# Altium PCB Tag201_GangProgrammerRev2.PcbDoc (part 4 of 7) (continued)
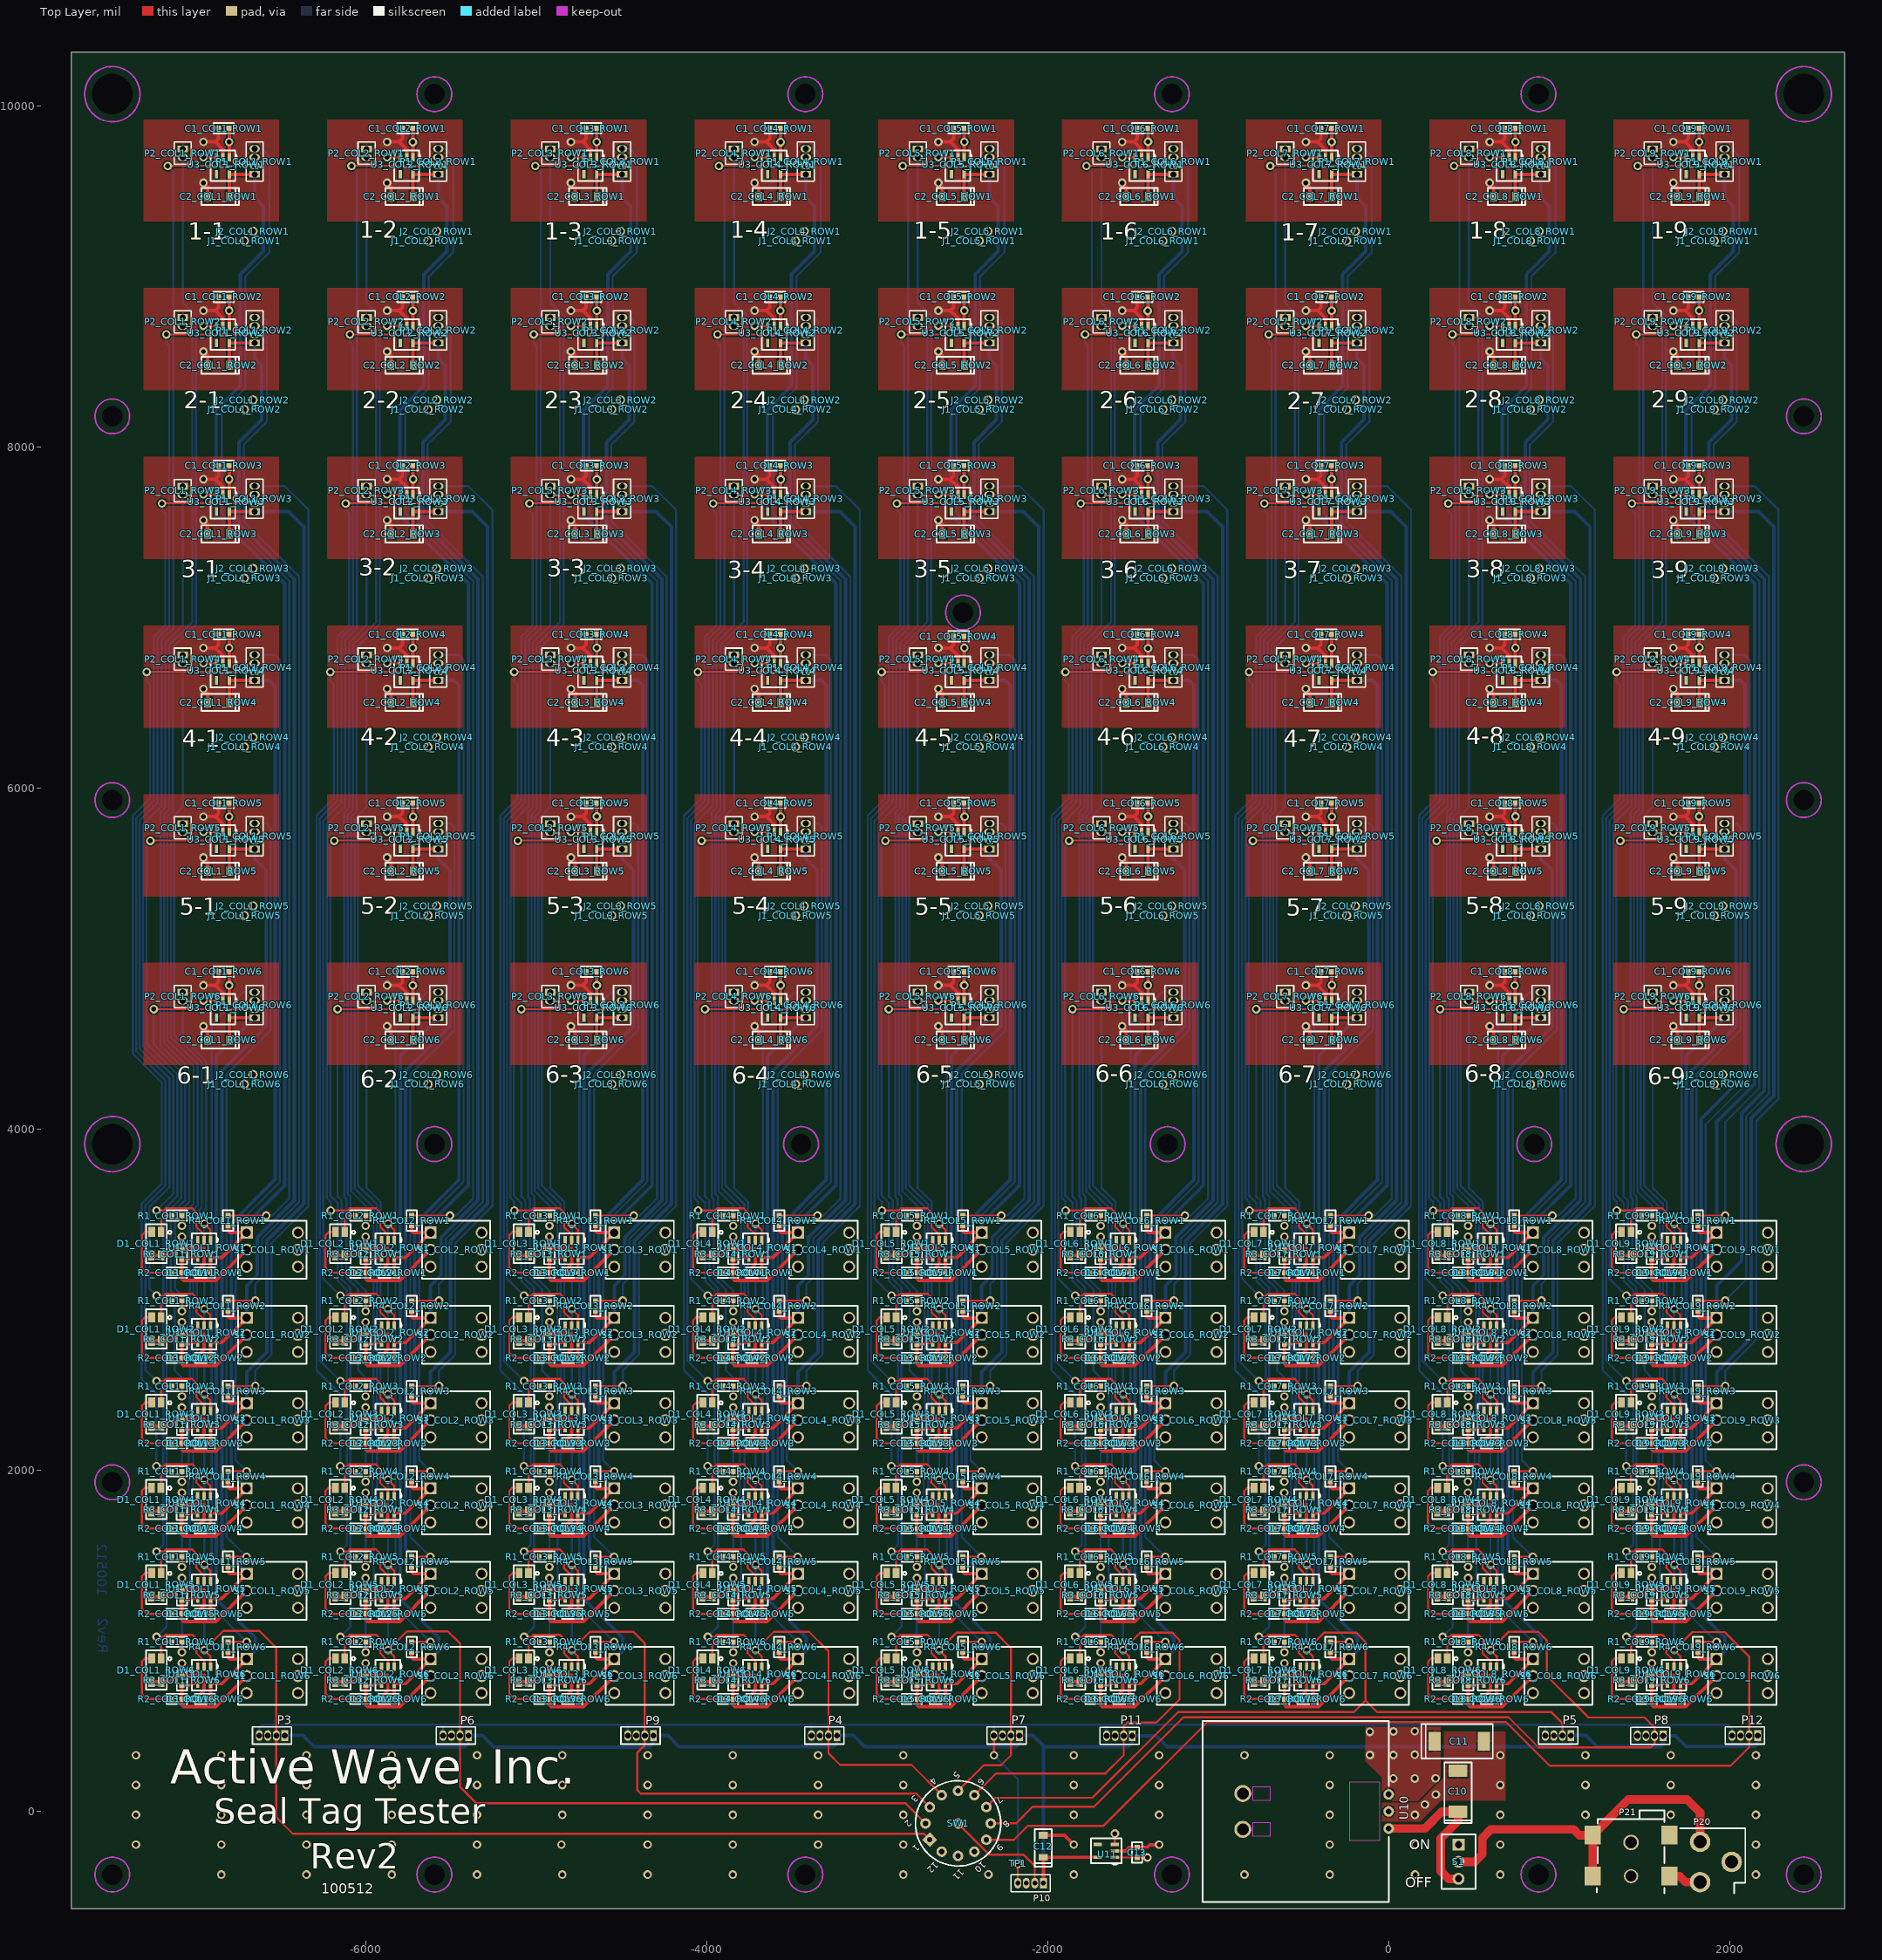
[diagram p0: Top Layer view]
## Nets (pads, with @x,y where several pads share a name; then routed paths per layer and width w, separated by ;. In a path a pad name is that pad's centre, name@x,y a point inside that pad or via, vN(x,y) a via of type N, cw(c..) or ccw(c..) an arc to the next point about the centre after c; other vN are vias at no path point) (continued)
C2_COL7_ROW1.2@-461.5,9469 ; v1(-485.5,9789) -415.5,9789 ; C1_COL7_ROW6.2@-396.5,4924 -396.5,4863 -415.5,4844 ; C1_COL7_ROW5.2@-396.5,5913 -396.5,5852 -415.5,5833 ; C1_COL7_ROW4.2@-396.5,6902 -396.5,6841 -415.5,6822 ; C1_COL7_ROW3.2@-396.5,7891 -396.5,7830 -415.5,7811 ; C1_COL7_ROW2.2@-396.5,8880 -396.5,8819 -415.5,8800 ; C1_COL7_ROW1.2@-396.5,9869 -396.5,9808 -415.5,9789 ; U3_COL7_ROW6.2@-371,4754 -371,4799.5 -415.5,4844 ; U3_COL7_ROW5.2@-371,5743 -371,5788.5 -415.5,5833 ; U3_COL7_ROW4.2@-371,6732 -371,6777.5 -415.5,6822 ; U3_COL7_ROW3.2@-371,7721 -371,7766.5 -415.5,7811 ; U3_COL7_ROW2.2@-371,8710 -371,8755.5 -415.5,8800 ; U3_COL7_ROW1.2@-371,9699 -371,9744.5 -415.5,9789 ; D1_COL8_ROW4.4@287.94,1760.1 D1_COL8_ROW4.3@343.06,1760.1 396.6,1760.1 435.5,1799 R3_COL8_ROW4.1@465.5,1799 ; D1_COL8_ROW6.4@288.44,760.1 D1_COL8_ROW6.3@343.56,760.1 397.1,760.1 436,799 R3_COL8_ROW6.1@466,799 ; D1_COL8_ROW5.4@288.44,1260.1 D1_COL8_ROW5.3@343.56,1260.1 397.1,1260.1 436,1299 R3_COL8_ROW5.1@466,1299 ; D1_COL8_ROW3.4@288.44,2260.1 D1_COL8_ROW3.3@343.56,2260.1 397.1,2260.1 436,2299 R3_COL8_ROW3.1@466,2299 ; D1_COL8_ROW2.4@288.44,2760.1 D1_COL8_ROW2.3@343.56,2760.1 397.1,2760.1 436,2799 R3_COL8_ROW2.1@466,2799 ; D1_COL8_ROW1.4@288.44,3260.1 D1_COL8_ROW1.3@343.56,3260.1 397.1,3260.1 436,3299 R3_COL8_ROW1.1@466,3299 ; v1(465.5,1869) R3_COL8_ROW4.1@465.5,1799 ; v1(466,869) R3_COL8_ROW6.1@466,799 ; v1(466,1369) R3_COL8_ROW5.1@466,1299 ; v1(466,2369) R3_COL8_ROW3.1@466,2299 ; v1(466,2869) R3_COL8_ROW2.1@466,2799 ; v1(466,3369) R3_COL8_ROW1.1@466,3299 ; 558,1801.5 U1_COL8_ROW4.3@558,1849 ; 558.5,801.5 U1_COL8_ROW6.3@558.5,849 ; 558.5,1301.5 U1_COL8_ROW5.3@558.5,1349 ; 558.5,2301.5 U1_COL8_ROW3.3@558.5,2349 ; 558.5,2801.5 U1_COL8_ROW2.3@558.5,2849 ; 558.5,3301.5 U1_COL8_ROW1.3@558.5,3349 ; C3_COL8_ROW4.2@570.5,1659 570.5,1684 595.5,1709 595.5,1799 R3_COL8_ROW4.1@465.5,1799 ; C3_COL8_ROW6.2@571,659 571,684 596,709 596,799 R3_COL8_ROW6.1@466,799 ; C3_COL8_ROW5.2@571,1159 571,1184 596,1209 596,1299 R3_COL8_ROW5.1@466,1299 ; C3_COL8_ROW3.2@571,2159 571,2184 596,2209 596,2299 R3_COL8_ROW3.1@466,2299 ; C3_COL8_ROW2.2@571,2659 571,2684 596,2709 596,2799 R3_COL8_ROW2.1@466,2799 ; C3_COL8_ROW1.2@571,3159 571,3184 596,3209 596,3299 R3_COL8_ROW1.1@466,3299 ; v1(592,4604) 616,4580 C2_COL8_ROW6.2@616,4524 ; v1(592,4844) 662,4844 ; v1(592,5593) 616,5569 C2_COL8_ROW5.2@616,5513 ; v1(592,5833) 662,5833 ; v1(592,6582) 616,6558 C2_COL8_ROW4.2@616,6502 ; v1(592,6822) 662,6822 ; v1(592,7571) 616,7547 C2_COL8_ROW3.2@616,7491 ; v1(592,7811) 662,7811 ; v1(592,8560) 616,8536 C2_COL8_ROW2.2@616,8480 ; v1(592,8800) 662,8800 ; v1(592,9549) 616,9525 C2_COL8_ROW1.2@616,9469 ; v1(592,9789) 662,9789 ; C1_COL8_ROW6.2@681,4924 681,4863 662,4844 ; C1_COL8_ROW5.2@681,5913 681,5852 662,5833 ; C1_COL8_ROW4.2@681,6902 681,6841 662,6822 ; C1_COL8_ROW3.2@681,7891 681,7830 662,7811 ; C1_COL8_ROW2.2@681,8880 681,8819 662,8800 ; C1_COL8_ROW1.2@681,9869 681,9808 662,9789 ; U3_COL8_ROW6.2@706.5,4754 706.5,4799.5 662,4844 ; U3_COL8_ROW5.2@706.5,5743 706.5,5788.5 662,5833 ; U3_COL8_ROW4.2@706.5,6732 706.5,6777.5 662,6822 ; U3_COL8_ROW3.2@706.5,7721 706.5,7766.5 662,7811 ; U3_COL8_ROW2.2@706.5,8710 706.5,8755.5 662,8800 ; U3_COL8_ROW1.2@706.5,9699 706.5,9744.5 662,9789 ; D1_COL9_ROW4.4@1365.44,1760.1 D1_COL9_ROW4.3@1420.56,1760.1 1474.1,1760.1 1513,1799 R3_COL9_ROW4.1@1543,1799 ; D1_COL9_ROW6.4@1365.94,760.1 D1_COL9_ROW6.3@1421.06,760.1 1474.6,760.1 1513.5,799 R3_COL9_ROW6.1@1543.5,799 ; D1_COL9_ROW5.4@1365.94,1260.1 D1_COL9_ROW5.3@1421.06,1260.1 1474.6,1260.1 1513.5,1299 R3_COL9_ROW5.1@1543.5,1299 ; D1_COL9_ROW3.4@1365.94,2260.1 D1_COL9_ROW3.3@1421.06,2260.1 1474.6,2260.1 1513.5,2299 R3_COL9_ROW3.1@1543.5,2299 ; D1_COL9_ROW2.4@1365.94,2760.1 D1_COL9_ROW2.3@1421.06,2760.1 1474.6,2760.1 1513.5,2799 R3_COL9_ROW2.1@1543.5,2799 ; D1_COL9_ROW1.4@1365.94,3260.1 D1_COL9_ROW1.3@1421.06,3260.1 1474.6,3260.1 1513.5,3299 R3_COL9_ROW1.1@1543.5,3299 ; v1(1543,1869) R3_COL9_ROW4.1@1543,1799 ; v1(1543.5,869) R3_COL9_ROW6.1@1543.5,799 ; v1(1543.5,1369) R3_COL9_ROW5.1@1543.5,1299 ; v1(1543.5,2369) R3_COL9_ROW3.1@1543.5,2299 ; v1(1543.5,2869) R3_COL9_ROW2.1@1543.5,2799 ; v1(1543.5,3369) R3_COL9_ROW1.1@1543.5,3299 ; 1635.5,1801.5 U1_COL9_ROW4.3@1635.5,1849 ; 1636,801.5 U1_COL9_ROW6.3@1636,849 ; 1636,1301.5 U1_COL9_ROW5.3@1636,1349 ; 1636,2301.5 U1_COL9_ROW3.3@1636,2349 ; 1636,2801.5 U1_COL9_ROW2.3@1636,2849 ; 1636,3301.5 U1_COL9_ROW1.3@1636,3349 ; C3_COL9_ROW4.2@1648,1659 1648,1684 1673,1709 1673,1799 R3_COL9_ROW4.1@1543,1799 ; C3_COL9_ROW6.2@1648.5,659 1648.5,684 1673.5,709 1673.5,799 R3_COL9_ROW6.1@1543.5,799 ; C3_COL9_ROW5.2@1648.5,1159 1648.5,1184 1673.5,1209 1673.5,1299 R3_COL9_ROW5.1@1543.5,1299 ; C3_COL9_ROW3.2@1648.5,2159 1648.5,2184 1673.5,2209 1673.5,2299 R3_COL9_ROW3.1@1543.5,2299 ; C3_COL9_ROW2.2@1648.5,2659 1648.5,2684 1673.5,2709 1673.5,2799 R3_COL9_ROW2.1@1543.5,2799 ; C3_COL9_ROW1.2@1648.5,3159 1648.5,3184 1673.5,3209 1673.5,3299 R3_COL9_ROW1.1@1543.5,3299 ; v1(1669.5,4604) 1693.5,4580 C2_COL9_ROW6.2@1693.5,4524 ; v1(1669.5,4844) 1739.5,4844 ; v1(1669.5,5593) 1693.5,5569 C2_COL9_ROW5.2@1693.5,5513 ; v1(1669.5,5833) 1739.5,5833 ; v1(1669.5,6582) 1693.5,6558 C2_COL9_ROW4.2@1693.5,6502 ; v1(1669.5,6822) 1739.5,6822 ; v1(1669.5,7571) 1693.5,7547 C2_COL9_ROW3.2@1693.5,7491 ; v1(1669.5,7811) 1739.5,7811 ; v1(1669.5,8560) 1693.5,8536 C2_COL9_ROW2.2@1693.5,8480 ; v1(1669.5,8800) 1739.5,8800 ; v1(1669.5,9549) 1693.5,9525 C2_COL9_ROW1.2@1693.5,9469 ; v1(1669.5,9789) 1739.5,9789 ; C1_COL9_ROW6.2@1758.5,4924 1758.5,4863 1739.5,4844 ; C1_COL9_ROW5.2@1758.5,5913 1758.5,5852 1739.5,5833 ; C1_COL9_ROW4.2@1758.5,6902 1758.5,6841 1739.5,6822 ; C1_COL9_ROW3.2@1758.5,7891 1758.5,7830 1739.5,7811 ; C1_COL9_ROW2.2@1758.5,8880 1758.5,8819 1739.5,8800 ; C1_COL9_ROW1.2@1758.5,9869 1758.5,9808 1739.5,9789 ; U3_COL9_ROW6.2@1784,4754 1784,4799.5 1739.5,4844 ; U3_COL9_ROW5.2@1784,5743 1784,5788.5 1739.5,5833 ; U3_COL9_ROW4.2@1784,6732 1784,6777.5 1739.5,6822 ; U3_COL9_ROW3.2@1784,7721 1784,7766.5 1739.5,7811 ; U3_COL9_ROW2.2@1784,8710 1784,8755.5 1739.5,8800 ; U3_COL9_ROW1.2@1784,9699 1784,9744.5 1739.5,9789
  Top Layer w50: P21.2@1646.5,-379 1706,-379 1741,-414 P20.3@1826.5,-414
  other v1: -6846,-370 -6346,-370 -5846,-370 -5346,-370 -4846,-370 -4346,-370 -3846,-370 -2846,-370 -1846,-370 -846,-370 -346,-370 155,-370 654,-370 2154,-370 -2347,-369 -7346,-195 -6846,-195 -6346,-195 -5846,-195 -5346,-195 -4851,-195 -4346,-195 -3846,-195 -3346,-195 -2846,-195 -346,-195 155,-195 654,-195 2154,-195 -7346,-20 -6846,-20 -6346,-20 -5846,-20 -5346,-20 -4846,-20 -4346,-20 -3846,-20 -3346,-20 -2846,-20 -1846,-20 -1346,-20 -346,-20 154,-20 654,-20 1154,-20 1654,-20 2154,-20 213,41 277,99 -7346,155 -6846,155 -6346,155 -5846,155 -5346,155 -4846,155 -4346,155 -3846,155 -3346,155 -2846,155 -1846,155 -1346,155 -346,155 654,155 1154,155 1654,155 2154,155 -7346,330 -6846,330 -6346,330 -5846,330 -5346,330 -4846,330 -4346,330 -3846,330 -3346,330 -2846,330 -1846,330 -1346,330 -846,330 -346,330 654,330 1154,330 1654,330 2154,330
NetC10_1: C10.1 S1.3 U10.1 | length 960.1
  Top Layer w50: U10.1@0,-100 213,-100 311,-2 C10.1@407,-2 407,-56 306,-157 306,-350 351,-395 S1.3@410,-395
NetD1_COL1_ROW1_1: D1_COL1_ROW1.1 R1_COL1_ROW1.1 | length 145.4
  Top Layer w12: D1_COL1_ROW1.1@-7198.94,3397.9 -7198.94,3471.56 -7176.5,3494 R1_COL1_ROW1.1@-7136.5,3494
NetD1_COL1_ROW1_2: D1_COL1_ROW1.2 R2_COL1_ROW1.1 | length 442.7
  Top Layer w12: D1_COL1_ROW1.2@-7254.06,3397.9 -7292.6,3397.9 -7311.5,3379 -7311.5,3189 -7281.5,3159 R2_COL1_ROW1.1@-7136.5,3159
NetD1_COL1_ROW2_1: D1_COL1_ROW2.1 R1_COL1_ROW2.1 | length 145.4
  Top Layer w12: D1_COL1_ROW2.1@-7198.94,2897.9 -7198.94,2971.56 -7176.5,2994 R1_COL1_ROW2.1@-7136.5,2994
NetD1_COL1_ROW2_2: D1_COL1_ROW2.2 R2_COL1_ROW2.1 | length 442.7
  Top Layer w12: D1_COL1_ROW2.2@-7254.06,2897.9 -7292.6,2897.9 -7311.5,2879 -7311.5,2689 -7281.5,2659 R2_COL1_ROW2.1@-7136.5,2659
NetD1_COL1_ROW3_1: D1_COL1_ROW3.1 R1_COL1_ROW3.1 | length 145.4
  Top Layer w12: D1_COL1_ROW3.1@-7198.94,2397.9 -7198.94,2471.56 -7176.5,2494 R1_COL1_ROW3.1@-7136.5,2494
NetD1_COL1_ROW3_2: D1_COL1_ROW3.2 R2_COL1_ROW3.1 | length 442.7
  Top Layer w12: D1_COL1_ROW3.2@-7254.06,2397.9 -7292.6,2397.9 -7311.5,2379 -7311.5,2189 -7281.5,2159 R2_COL1_ROW3.1@-7136.5,2159
NetD1_COL1_ROW4_1: D1_COL1_ROW4.1 R1_COL1_ROW4.1 | length 145.4
  Top Layer w12: D1_COL1_ROW4.1@-7199.44,1897.9 -7199.44,1971.56 -7177,1994 R1_COL1_ROW4.1@-7137,1994
NetD1_COL1_ROW4_2: D1_COL1_ROW4.2 R2_COL1_ROW4.1 | length 442.7
  Top Layer w12: D1_COL1_ROW4.2@-7254.56,1897.9 -7293.1,1897.9 -7312,1879 -7312,1689 -7282,1659 R2_COL1_ROW4.1@-7137,1659
NetD1_COL1_ROW5_1: D1_COL1_ROW5.1 R1_COL1_ROW5.1 | length 145.4
  Top Layer w12: D1_COL1_ROW5.1@-7198.94,1397.9 -7198.94,1471.56 -7176.5,1494 R1_COL1_ROW5.1@-7136.5,1494
NetD1_COL1_ROW5_2: D1_COL1_ROW5.2 R2_COL1_ROW5.1 | length 442.7
  Top Layer w12: D1_COL1_ROW5.2@-7254.06,1397.9 -7292.6,1397.9 -7311.5,1379 -7311.5,1189 -7281.5,1159 R2_COL1_ROW5.1@-7136.5,1159
NetD1_COL1_ROW6_1: D1_COL1_ROW6.1 R1_COL1_ROW6.1 | length 145.4
  Top Layer w12: D1_COL1_ROW6.1@-7198.94,897.9 -7198.94,971.56 -7176.5,994 R1_COL1_ROW6.1@-7136.5,994
NetD1_COL1_ROW6_2: D1_COL1_ROW6.2 R2_COL1_ROW6.1 | length 442.7
  Top Layer w12: D1_COL1_ROW6.2@-7254.06,897.9 -7292.6,897.9 -7311.5,879 -7311.5,689 -7281.5,659 R2_COL1_ROW6.1@-7136.5,659
NetD1_COL2_ROW1_1: D1_COL2_ROW1.1 R1_COL2_ROW1.1 | length 145.4
  Top Layer w12: D1_COL2_ROW1.1@-6121.44,3397.9 -6121.44,3471.56 -6099,3494 R1_COL2_ROW1.1@-6059,3494
NetD1_COL2_ROW1_2: D1_COL2_ROW1.2 R2_COL2_ROW1.1 | length 442.7
  Top Layer w12: D1_COL2_ROW1.2@-6176.56,3397.9 -6215.1,3397.9 -6234,3379 -6234,3189 -6204,3159 R2_COL2_ROW1.1@-6059,3159
NetD1_COL2_ROW2_1: D1_COL2_ROW2.1 R1_COL2_ROW2.1 | length 145.4
  Top Layer w12: D1_COL2_ROW2.1@-6121.44,2897.9 -6121.44,2971.56 -6099,2994 R1_COL2_ROW2.1@-6059,2994
NetD1_COL2_ROW2_2: D1_COL2_ROW2.2 R2_COL2_ROW2.1 | length 442.7
  Top Layer w12: D1_COL2_ROW2.2@-6176.56,2897.9 -6215.1,2897.9 -6234,2879 -6234,2689 -6204,2659 R2_COL2_ROW2.1@-6059,2659
NetD1_COL2_ROW3_1: D1_COL2_ROW3.1 R1_COL2_ROW3.1 | length 145.4
  Top Layer w12: D1_COL2_ROW3.1@-6121.44,2397.9 -6121.44,2471.56 -6099,2494 R1_COL2_ROW3.1@-6059,2494
NetD1_COL2_ROW3_2: D1_COL2_ROW3.2 R2_COL2_ROW3.1 | length 442.7
  Top Layer w12: D1_COL2_ROW3.2@-6176.56,2397.9 -6215.1,2397.9 -6234,2379 -6234,2189 -6204,2159 R2_COL2_ROW3.1@-6059,2159
NetD1_COL2_ROW4_1: D1_COL2_ROW4.1 R1_COL2_ROW4.1 | length 145.4
  Top Layer w12: D1_COL2_ROW4.1@-6121.94,1897.9 -6121.94,1971.56 -6099.5,1994 R1_COL2_ROW4.1@-6059.5,1994
NetD1_COL2_ROW4_2: D1_COL2_ROW4.2 R2_COL2_ROW4.1 | length 442.7
  Top Layer w12: D1_COL2_ROW4.2@-6177.06,1897.9 -6215.6,1897.9 -6234.5,1879 -6234.5,1689 -6204.5,1659 R2_COL2_ROW4.1@-6059.5,1659
NetD1_COL2_ROW5_1: D1_COL2_ROW5.1 R1_COL2_ROW5.1 | length 145.4
  Top Layer w12: D1_COL2_ROW5.1@-6121.44,1397.9 -6121.44,1471.56 -6099,1494 R1_COL2_ROW5.1@-6059,1494
NetD1_COL2_ROW5_2: D1_COL2_ROW5.2 R2_COL2_ROW5.1 | length 442.7
  Top Layer w12: D1_COL2_ROW5.2@-6176.56,1397.9 -6215.1,1397.9 -6234,1379 -6234,1189 -6204,1159 R2_COL2_ROW5.1@-6059,1159
NetD1_COL2_ROW6_1: D1_COL2_ROW6.1 R1_COL2_ROW6.1 | length 145.4
  Top Layer w12: D1_COL2_ROW6.1@-6121.44,897.9 -6121.44,971.56 -6099,994 R1_COL2_ROW6.1@-6059,994
NetD1_COL2_ROW6_2: D1_COL2_ROW6.2 R2_COL2_ROW6.1 | length 442.7
  Top Layer w12: D1_COL2_ROW6.2@-6176.56,897.9 -6215.1,897.9 -6234,879 -6234,689 -6204,659 R2_COL2_ROW6.1@-6059,659
NetD1_COL3_ROW1_1: D1_COL3_ROW1.1 R1_COL3_ROW1.1 | length 145.4
  Top Layer w12: D1_COL3_ROW1.1@-5043.94,3397.9 -5043.94,3471.56 -5021.5,3494 R1_COL3_ROW1.1@-4981.5,3494
NetD1_COL3_ROW1_2: D1_COL3_ROW1.2 R2_COL3_ROW1.1 | length 1328.1
  Top Layer w12: -5156.5,3189 -5126.5,3159 ; -5156.5,3189 -5156.5,3379 ; -5156.5,3189 -5126.5,3159 ; -5156.5,3189 -5156.5,3379 ; -5156.5,3189 -5126.5,3159 ; -5156.5,3189 -5156.5,3379 ; -5156.5,3379 -5137.6,3397.9 ; -5156.5,3379 -5137.6,3397.9 ; -5156.5,3379 -5137.6,3397.9 ; -5137.6,3397.9 D1_COL3_ROW1.2@-5099.06,3397.9 ; -5137.6,3397.9 D1_COL3_ROW1.2@-5099.06,3397.9 ; -5137.6,3397.9 D1_COL3_ROW1.2@-5099.06,3397.9 ; -5126.5,3159 R2_COL3_ROW1.1@-4981.5,3159 ; -5126.5,3159 R2_COL3_ROW1.1@-4981.5,3159 ; -5126.5,3159 R2_COL3_ROW1.1@-4981.5,3159
NetD1_COL3_ROW2_1: D1_COL3_ROW2.1 R1_COL3_ROW2.1 | length 145.4
  Top Layer w12: D1_COL3_ROW2.1@-5043.94,2897.9 -5043.94,2971.56 -5021.5,2994 R1_COL3_ROW2.1@-4981.5,2994
NetD1_COL3_ROW2_2: D1_COL3_ROW2.2 R2_COL3_ROW2.1 | length 1328.1
  Top Layer w12: -5156.5,2689 -5126.5,2659 ; -5156.5,2689 -5156.5,2879 ; -5156.5,2689 -5126.5,2659 ; -5156.5,2689 -5156.5,2879 ; -5156.5,2689 -5126.5,2659 ; -5156.5,2689 -5156.5,2879 ; -5156.5,2879 -5137.6,2897.9 ; -5156.5,2879 -5137.6,2897.9 ; -5156.5,2879 -5137.6,2897.9 ; -5137.6,2897.9 D1_COL3_ROW2.2@-5099.06,2897.9 ; -5137.6,2897.9 D1_COL3_ROW2.2@-5099.06,2897.9 ; -5137.6,2897.9 D1_COL3_ROW2.2@-5099.06,2897.9 ; -5126.5,2659 R2_COL3_ROW2.1@-4981.5,2659 ; -5126.5,2659 R2_COL3_ROW2.1@-4981.5,2659 ; -5126.5,2659 R2_COL3_ROW2.1@-4981.5,2659
NetD1_COL3_ROW3_1: D1_COL3_ROW3.1 R1_COL3_ROW3.1 | length 145.4
  Top Layer w12: D1_COL3_ROW3.1@-5043.94,2397.9 -5043.94,2471.56 -5021.5,2494 R1_COL3_ROW3.1@-4981.5,2494